# Altium PCB LPCB220R0.PcbDoc (part 4 of 4) (continued)
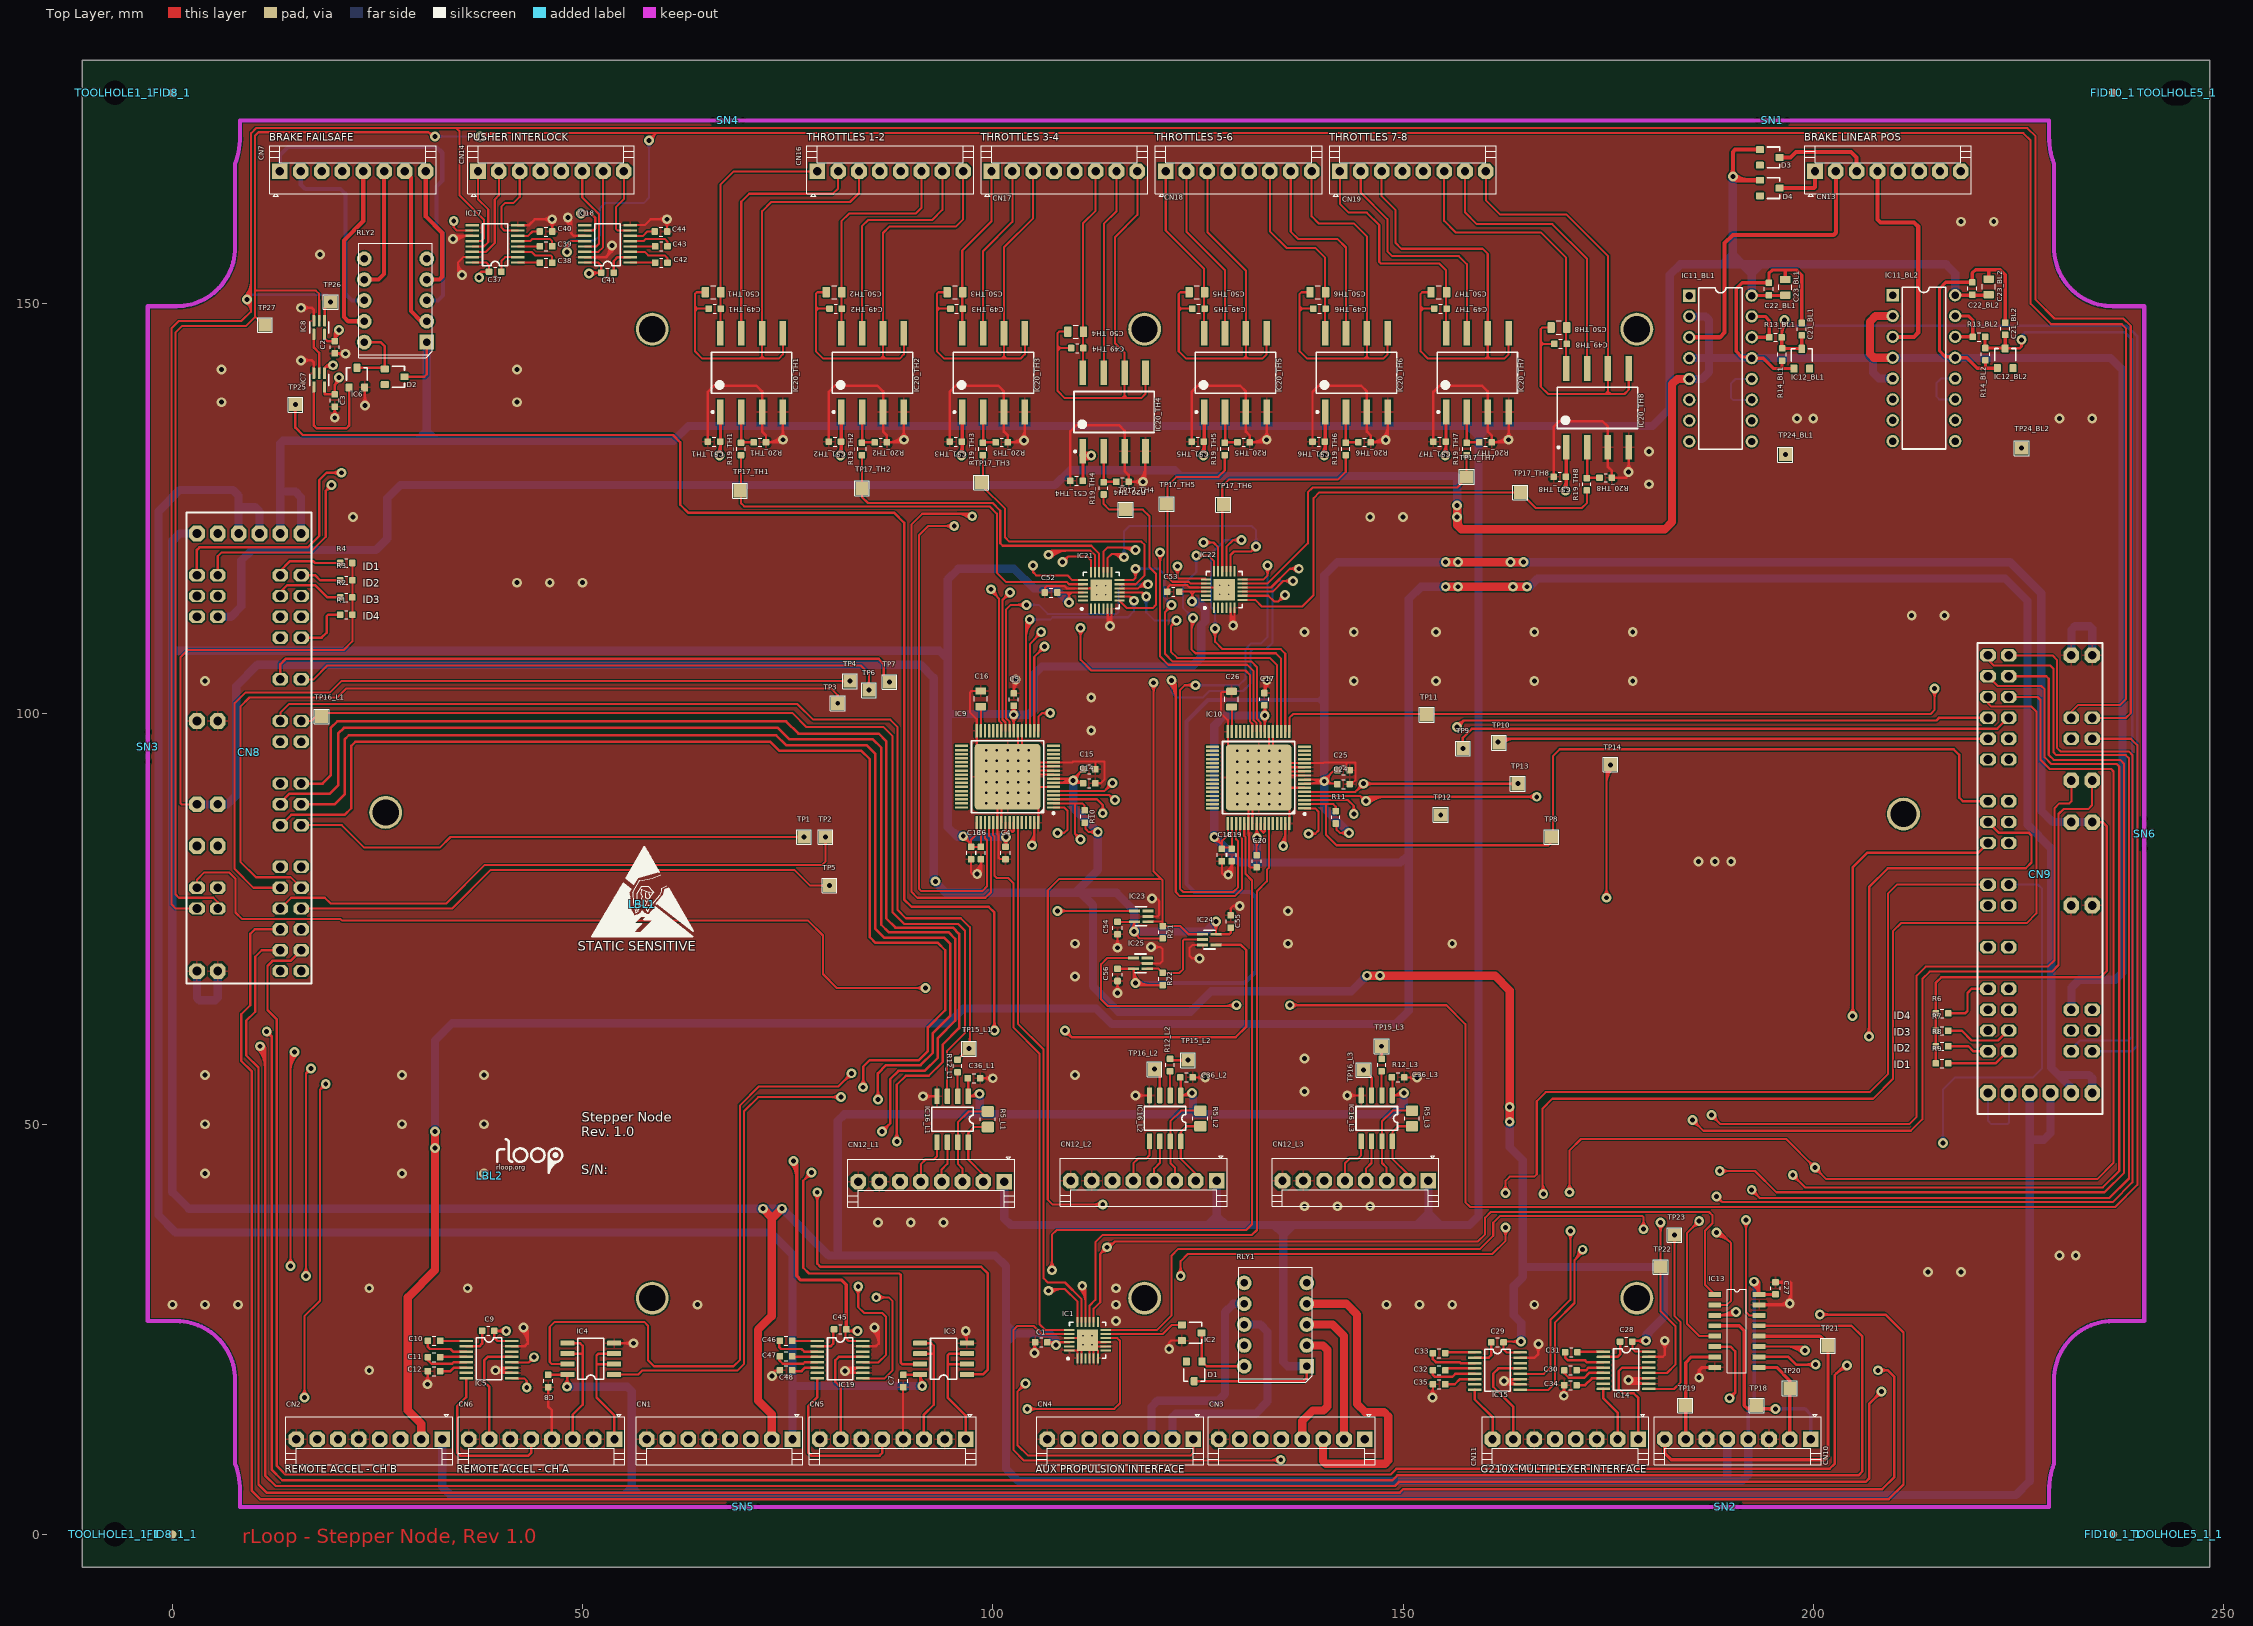
[diagram p0: Top Layer view]
## Nets (pads, with @x,y where several pads share a name; then routed paths per layer and width w, separated by ;. In a path a pad name is that pad's centre, name@x,y a point inside that pad or via, vN(x,y) a via of type N, cw(c..) or ccw(c..) an arc to the next point about the centre after c; other vN are vias at no path point) (continued)
  Top Layer w0.3: R19_TH7.1@157.789,133.08 IC20_TH7.2@157.789,136.8 ; R19_TH7.1@157.809,133.1 R20_TH7.2@159.309,133.1
NetIC20_TH8_2: IC20_TH8.2 R19_TH8.1 R20_TH8.2 | length 5.2
  Top Layer w0.3: R19_TH8.1@172.43,128.78 IC20_TH8.2@172.43,132.5 ; R19_TH8.1@172.45,128.8 R20_TH8.2@173.95,128.8
NetIC24_2: IC24.2 IC25.1 R22.1 | length 10.7
  Top Layer w0.254: IC25.1@118.825,68.95 120.2,68.95 R22.1@120.7,68.45 122.75,68.45 123.2,68.9 123.2,72.4 123.3,72.5 IC24.2@125.575,72.5
P5VA: C1.1 C4.1 C5.1 C6.1 C13.1 C27.1 C36_L1.1 C36_L2.1 C36_L3.1 C51_TH1.1 C51_TH2.1 C51_TH3.1 C51_TH4.1 C51_TH5.1 C51_TH6.1 C51_TH7.1 C51_TH8.1 C52.1 C53.1 CN1.2 CN8.P5V1 CN8.P5V2 CN10.4 CN10.5 IC1.22 IC9.23 IC9.49 IC9.50 IC9.56 IC13.16 IC16_L1.1 IC16_L2.1 IC16_L3.1 IC20_TH1.1 IC20_TH2.1 IC20_TH3.1 IC20_TH4.1 IC20_TH5.1 IC20_TH6.1 IC20_TH7.1 IC20_TH8.1 IC21.22 IC22.22 | length 973.8
  Top Layer w0.254: v1@96.4,84.627 cw(c96.4,83.485) 97.207,84.293 cw(c98.015,85.1) v1@96.873,85.1 ; v1(96.4,85.1) C13.1@97.35,84.15 ; C36_L1.1@96.95,55.6 97.005,55.545 IC16_L1.1@97.005,53.4 ; 97.464,53.4 ccw(c97.464,54.286) v1@98.214,53.816 ; v1@97.999,53.951 cw(c97.005,54.572) IC16_L1.1@97.005,53.4 ; IC9.49@98.05,86.75 98.05,85.35 97.35,84.65 C13.1@97.35,84.15 ; v1(98.4,53.7) 98.1,53.4 IC16_L1.1@97.005,53.4 ; IC9.50@98.55,86.75 C6.1@98.55,83.8 C13.1@97.35,83.8 C13.1@97.35,84.15 ; v1@101.266,84.666 cw(c100.579,83.979) C4.1@101.55,83.979 ; v1@101.266,85.334 ccw(c100.579,86.021) IC9.56@101.55,86.021 ; 101.55,84.382 cw(c102.175,84.382) v1@101.749,84.84 ; 101.55,85.649 ccw(c102.249,85.649) v1@101.755,85.155 ; IC9.56@101.55,86.263 ccw(c102.863,86.263) v1@101.934,85.334 ; IC9.56@101.55,86.75 C4.1@101.55,83.8 cw(c102.717,83.799) v1@101.922,84.654 ; v1@102.216,99.566 cw(c101.408,98.758) 102.55,98.758 cw(c103.692,98.758) v1@102.884,99.566 ; v1@102.225,100.243 ccw(c101.508,101) C5.1@102.55,101 ; IC9.23@102.55,97.95 v1(102.55,99.9) C5.1@102.55,101 ; v1@102.875,100.243 cw(c103.592,101) C5.1@102.55,101 ; C1.1@106.65,23.4 C1.1@106.675,23.425 ; C1.1@107.001,23.425 cw(c107.001,22.923) v1@107.488,23.046 ; v1@107.241,22.984 ccw(c106.675,22.841) C1.1@106.675,23.425 ; C52.1@107.85,114.8 107.858,114.808 108.992,114.808 ; v1@109.032,113.99 ccw(c108.68,114.5) 109.3,114.5 ; v1(109.3,113.6) 109.3,114.5 ; IC1.22@109.325,23.425 C1.1@106.675,23.425 ; v1@109.568,113.99 cw(c109.92,114.5) 109.3,114.5 ; IC21.22@110.995,114.808 109.608,114.808 ; C36_L2.1@122.85,55.7 122.905,55.645 IC16_L2.1@122.905,53.5 ; C53.1@122.858,114.908 123.992,114.908 ; 123.364,53.5 ccw(c123.364,54.386) v1@124.114,53.916 ; v1@123.899,54.051 cw(c122.905,54.672) IC16_L2.1@122.905,53.5 ; v1@124.032,114.09 ccw(c123.68,114.6) 124.3,114.6 ; v1(124.3,53.8) 124,53.5 IC16_L2.1@122.905,53.5 ; v1(124.3,113.7) 124.3,114.6 ; v1@124.568,114.09 cw(c124.92,114.6) 124.3,114.6 ; IC22.22@125.995,114.908 124.608,114.908 ; C36_L3.1@148.65,55.7 148.705,55.645 IC16_L3.1@148.705,53.5 ; 149.163,53.5 ccw(c149.163,54.386) v1@149.914,53.916 ; v1@149.699,54.051 cw(c148.705,54.672) IC16_L3.1@148.705,53.5 ; v1(150.1,53.8) 149.8,53.5 IC16_L3.1@148.705,53.5 ; 108.992,114.808 109.3,114.5 ; 108.992,114.808 109.3,114.808 ; 109.3,114.5 109.3,114.808 ; 109.3,114.5 109.608,114.808 ; 109.3,114.808 109.608,114.808 ; 123.992,114.908 124.608,114.908 ; 123.992,114.908 124.3,114.6 ; 124.3,114.6 124.608,114.908
  Top Layer w0.4: v1@66.417,131.783 ccw(c65.493,132.707) 66.8,132.707 ; v1(66.7,131.5) 66.8,131.6 IC20_TH1.1@66.8,136.8 ; 66.8,132.224 ccw(c67.424,132.224) v1@66.983,131.783 ; v1@81.159,131.783 ccw(c80.234,132.707) 81.541,132.707 ; v1@81.541,131.6 IC20_TH2.1@81.541,136.8 ; 81.541,132.224 ccw(c82.166,132.224) v1@81.724,131.783 ; v1@95.9,131.783 ccw(c94.976,132.707) 96.283,132.707 ; v1@96.283,131.6 IC20_TH3.1@96.283,136.8 ; 96.283,132.224 ccw(c96.907,132.224) v1@96.466,131.783 ; C51_TH4.1@110.99,128.4 110.99,131.6 IC20_TH4.1@110.99,132 ; v1@125.383,131.783 ccw(c124.459,132.707) 125.766,132.707 ; v1@125.766,131.6 IC20_TH5.1@125.766,136.8 ; 125.766,132.224 ccw(c126.39,132.224) v1@125.949,131.783 ; v1@140.124,131.783 ccw(c139.2,132.707) 140.507,132.707 ; v1@140.507,131.6 IC20_TH6.1@140.507,136.8 ; 140.507,132.224 ccw(c141.131,132.224) v1@140.69,131.783 ; v1@154.866,131.783 ccw(c153.941,132.707) 155.249,132.707 ; v1@155.249,131.6 IC20_TH7.1@155.249,136.8 ; 155.249,132.224 ccw(c155.873,132.224) v1@155.431,131.783 ; v1@169.507,127.483 ccw(c168.583,128.407) 169.89,128.407 ; v1@169.89,127.3 IC20_TH8.1@169.89,132.5 ; 169.89,127.924 ccw(c170.514,127.924) v1@170.073,127.483 ; v1@192.612,30.447 cw(c191.911,29.133) IC13.16@193.4,29.133 ; v1@192.988,31.153 cw(c192.622,30.467) 193.4,30.467 ; v1@193.072,30.506 cw(c193.233,30.333) 193.4,30.5 ; 193.4,29.8 ccw(c192.267,29.8) v1(192.8,30.8) 193.1,30.8 193.4,30.5 ; C27.1@195.4,29.25 193.405,29.25 IC13.16@193.4,29.245 193.4,30.5
  Top Layer w1: v1(72,39.7) 73.05,38.65 73.05,38.45 ; CN1.2@73.05,11.6 73.05,14.65 71.4,16.3 71.4,24.95 73.05,26.6 ; 73.05,27.7 73.05,26.6 ; v1(74.3,39.7) 73.05,38.45 ; v1@111.933,131.574 cw(c111.475,132.085) 110.99,131.6 111.09,131.5 v1(112,131.5) ; 73.05,26.6 73.05,38.45
  Mid-Layer 1 w1: CN8.P5V1@3,122 3,125.5 ; CN8.P5V2@5.54,122 5.54,125.16 5.2,125.5 3,125.5 ; v1(169.79,127.2) 169.79,130.61 168.9,131.5 v1(155.149,131.5) v1(140.407,131.5) v1(125.666,131.5) v1(112,131.5) v1(96.183,131.5) v1(81.441,131.5) v1(66.7,131.5) 4.5,131.5 3,130 3,125.5
  Bottom Layer w0.4: CN10.4@192.07,11.6 192.07,15.37 192.8,16.1 v1(192.8,30.8) ; v1@192.517,30.517 cw(c191.834,29.834) 192.8,29.834 cw(c193.766,29.834) v1@193.083,30.517
  Bottom Layer w1: CN8.P5V1@3,122 0.9,122 0,121.1 0,107.7 ; 94.864,85.836 ccw(c96.4,87.373) v1@96.4,85.2 ; v1(98.4,53.7) 98.4,51.2 ; v1(101.6,85) 95.7,85 94.5,86.2 94.5,100 ; 107.105,24.295 cw(c105.91,23.1) v1@107.6,23.1 ; v1(107.7,23.1) 107.7,23.7 106.9,24.5 102.7,24.5 ; v1(109.3,113.6) 107.6,115.3 105,115.3 102.6,117.7 95.8,117.7 94.5,116.4 94.5,106.7 ; v1(124.3,53.8) 124.4,53.7 124.4,51.2 ; v1(124.3,113.7) 125.1,113.7 125.813,112.987 ; v1@124.301,113.6 cw(c124.333,111.507) 125.813,112.987 ; v1(150.1,53.8) 150.1,52.5 148.8,51.2 124.4,51.2 ; CN10.5@189.53,11.6 189.53,6.57 189.6,6.5 ; CN10.4@192.07,11.6 192.07,7.27 191.3,6.5 189.6,6.5 ; 0,107.7 93.5,107.7 94.5,106.7 ; 0,107.7 0,41.7 2,39.7 v1(74.3,39.7) 80,34 81.1,34 ; 81.1,34 81.1,50.4 81.9,51.2 98.4,51.2 ; 81.1,34 100.3,34 101.6,32.7 101.6,25.6 ; 94.5,100 102.45,100 v1(102.55,99.9) 104.3,99.9 105,100.6 105,104.8 106,105.8 124.3,105.8 125.4,106.9 125.4,110.8 125.9,111.3 125.9,112.587 125.813,112.674 125.813,112.987 ; 94.5,100 94.5,106.7 ; 98.4,51.2 124.4,51.2 ; 101.6,23.4 102.7,24.5 ; 101.6,23.4 101.6,8 103.1,6.5 189.6,6.5 ; 101.6,23.4 101.6,24.5 ; 101.6,24.5 102.7,24.5 ; 101.6,24.5 101.6,25.6 ; 101.6,25.6 102.7,24.5
P5VB: C17.1 C18.1 C19.1 C20.1 CN2.2 CN9.P5V1 CN9.P5V2 IC10.23 IC10.49 IC10.50 IC10.56 | length 448.7
  Top Layer w0.254: v1@127,84.527 cw(c127,83.385) 127.807,84.193 cw(c128.615,85) v1@127.473,85 ; v1(127,85) 127.95,84.05 ; IC10.49@128.65,86.65 128.65,85.25 127.95,84.55 127.95,84.05 ; IC10.50@129.15,86.65 129.15,83.7 127.95,83.7 127.95,84.05 ; v1@131.866,84.566 cw(c131.179,83.879) 132.15,83.879 ; v1@131.866,85.234 ccw(c131.179,85.921) IC10.56@132.15,85.921 ; C20.1@132.15,82.8 IC10.56@132.15,86.65 ; 132.15,83.637 cw(c133.463,83.637) v1@132.534,84.566 ; 132.15,84.251 cw(c132.849,84.251) v1@132.355,84.745 ; 132.15,85.549 ccw(c132.849,85.549) v1@132.355,85.055 ; IC10.56@132.15,86.163 ccw(c133.463,86.163) v1@132.534,85.234 ; v1@132.816,99.466 cw(c132.008,98.658) 133.15,98.658 cw(c134.292,98.658) v1@133.484,99.466 ; v1@132.825,100.143 ccw(c132.108,100.9) C17.1@133.15,100.9 ; IC10.23@133.15,97.85 v1(133.15,99.8) C17.1@133.15,100.9 ; v1@133.475,100.143 cw(c134.192,100.9) C17.1@133.15,100.9
  Top Layer w1: CN2.2@30.35,11.6 30.35,13.45 28.7,15.1 28.7,28.9 32,32.2 v1(32,47.1) v1(32,49.1) ; v1(155.2,115.5) v1(156.7,115.5) v1(163.4,115.5) v1(165.1,115.5)
  Bottom Layer w1: v1(32,47.1) v1(32,49.1) 32,60.2 34.1,62.3 94.6,62.3 96.4,64.1 112.6,64.1 114.5,62.2 149.1,62.2 150.7,63.8 150.7,82.9 ; v1(132.2,84.9) 132.2,81.9 ; v1(133.15,99.8) 128.2,99.8 127,98.6 v1(127,85) 130.1,81.9 132.2,81.9 ; v1(156.7,115.5) v1(155.2,115.5) 152.2,115.5 150.7,114 150.7,82.9 ; v1(163.4,115.5) v1(165.1,115.5) 165.4,115.5 166.4,116.5 223.4,116.5 226.1,113.8 226.1,86.5 229,83.6 229,56.9 229.9,56 ; v1@165.1,115.6 ccw(c165.1,116.566) 165.783,115.883 ; CN9.P5V2@231.46,53.8 231.46,54.44 229.9,56 ; CN9.P5V1@234,53.8 234,55.6 233.6,56 229.9,56 ; 132.2,81.9 149.7,81.9 150.7,82.9
P24VA: C22_BL1.1 C22_BL2.1 C23_BL1.1 C23_BL2.1 CN8.P24V1 CN8.P24V2 CN12_L1.1 CN12_L2.1 CN12_L3.1 D1.3 D2.3 D3.1 D4.1 IC11_BL1.16 IC11_BL2.16 RLY1.1 RLY2.1 | length 529.4
  Top Layer w0.3: D2.3@28.3,141.1 30.7,141.1 31.01,141.41 RLY2.1@31.01,145.32 ; D1.3@124.55,18.675 137.875,18.675 138.26,19.06 RLY1.1@138.26,20.495
  Top Layer w0.4: IC11_BL1.16@192.51,150.99 196.54,150.99 C23_BL1.1@196.6,151.05 ; IC11_BL2.16@217.3,151.04 C23_BL2.1@221.33,151.04
  Top Layer w0.5: v1@189.953,165.747 ccw(c189.355,166.345) 190.2,166.345 ccw(c191.045,166.345) 190.447,165.747 ccw(c192.131,167.431) 192.131,165.05 ; v1@190.094,165.394 ccw(c190.924,166.224) 190.924,165.05 ; v1@190.276,165.158 cw(c190.365,164.765) 190.65,165.05 ; v1@190.542,165.424 ccw(c190.935,165.335) 190.65,165.05 ; D4.1@193.5,165.05 190.65,165.05 ; D3.1@193.5,168.779 190.479,168.779 190.2,168.5 v1(190.2,165.5) 190.65,165.05
  Bottom Layer w1: CN8.P24V1@13.16,122 13.16,127.1 ; CN8.P24V2@15.7,122 15.7,126.4 15,127.1 13.16,127.1 ; RLY2.1@31.01,145.32 31,145.31 31,134.5 ; CN12_L1.1@101.39,43 101.39,38.51 102.2,37.7 126.2,37.7 ; CN12_L2.1@127.29,43.1 127.3,43.09 127.3,38.8 ; 136.8,37.7 136.6,37.7 ; RLY1.1@138.26,20.495 135.905,20.495 135.4,21 135.4,36.5 ; CN12_L3.1@153.09,43.1 153.09,39.1 ; v1(190.2,165.5) 190.2,156 ; IC11_BL1.16@192.5,151 192.5,153.7 ; IC11_BL2.16@217.3,151.04 217.3,153.7 216.2,154.8 193.6,154.8 ; 13.16,127.1 13.16,132.96 13.5,133.3 29.8,133.3 ; 29.8,133.3 31,134.5 ; 29.8,133.3 31,133.3 ; 31,133.3 31,134.5 ; 31,133.3 32.2,133.3 ; 31,134.5 32.2,133.3 ; 32.2,133.3 61.1,133.3 62.9,135.1 158,135.1 ; 126.2,37.7 127.3,38.8 ; 126.2,37.7 127.3,37.7 ; 127.3,37.7 127.3,38.8 ; 127.3,37.7 128.4,37.7 ; 127.3,38.8 128.4,37.7 ; 128.4,37.7 134.3,37.7 ; 134.3,37.7 135.4,36.6 ; 134.3,37.7 135.4,37.7 ; 135.4,36.5 136.6,37.7 ; 135.4,36.5 135.4,36.6 ; 135.4,36.6 135.4,37.7 ; 135.4,37.7 136.6,37.7 ; 136.6,37.7 151.7,37.7 ; 151.7,37.7 153.09,39.09 ; 151.7,37.7 153.2,37.7 ; 153.09,39.09 153.09,37.81 153.2,37.7 ; 153.09,39.09 153.09,39.1 ; 153.09,39.1 154.3,37.89 154.3,37.7 ; 153.2,37.7 154.3,37.7 ; 154.3,37.7 158.1,37.7 159.2,38.8 159.2,133.9 ; 158,135.1 159.2,133.9 ; 158,135.1 159.3,135.1 ; 159.2,133.9 159.3,133.9 160.5,135.1 ; 159.2,133.9 159.2,135 159.3,135.1 ; 159.3,135.1 160.5,135.1 ; 160.5,135.1 180.4,135.1 182.5,137.2 182.5,153.5 183.8,154.8 189.2,154.8 ; 189.2,154.8 189.2,155 190.2,156 ; 189.2,154.8 190.2,154.8 ; 190.2,154.8 191.4,154.8 ; 190.2,154.8 190.2,156 ; 190.2,156 191.4,154.8 ; 191.4,154.8 192.5,153.7 ; 191.4,154.8 192.5,154.8 ; 192.5,153.7 193.6,154.8 ; 192.5,153.7 192.5,154.8 ; 192.5,154.8 193.6,154.8
P24VB: CN9.P24V1 CN9.P24V2 | length 9.8
  Bottom Layer w0.254: CN9.P24V2@221.3,53.8 221.3,50.4 221.7,50 223.7,50 223.84,50.14 CN9.P24V1@223.84,53.8
PUSH_INTLK_A: CN8.T32 CN9.T32 IC8.1 IC17.12 TP26.1 | length 451.4
  Top Layer w0.254: CN8.T32@3,76.28 0.42,76.28 -0.1,76.8 -0.1,147 0.8,147.9 8.4,147.9 9.6,149.1 9.6,170.8 10.2,171.4 34.6,171.4 ; v1@8.766,150.834 ccw(c6.751,152.849) 9.6,152.849 ; v1@8.911,150.067 cw(c8.451,149.013) 9.6,149.013 ; v1@8.945,150.655 ccw(c7.364,152.236) 9.6,152.236 ; v1@9.012,150.299 cw(c8.62,149.402) 9.6,149.402 ; v1@9.114,150.532 cw(c8.79,149.79) 9.6,149.79 ; v1@9.125,150.475 ccw(c7.977,151.623) 9.6,151.623 ; v1@9.304,150.296 ccw(c8.591,151.009) 9.6,151.009 ; IC17.12@36.575,157.625 37.625,157.625 38,158 38,160.2 35,163.2 35,171 34.6,171.4 ; CN9.T32@234,99.52 238.12,99.52 238.7,100.1 238.7,147.3 237.8,148.2 229.4,148.2 227.1,150.5 227.1,170.4 226.1,171.4 34.6,171.4
  Top Layer w0.3: IC8.1@18.55,147.925 TP26.1@18.55,149.45 ; TP26.1@18.85,150.192 cw(c17.825,150.175) TP26.1@18.55,149.45 ; TP26.1@19.292,149.75 ccw(c19.275,148.725) TP26.1@18.55,149.45 ; v1(19.3,150.2) TP26.1@18.55,149.45
  Bottom Layer w0.3: v1(9.1,150.5) 9.7,151.1 18.8,151.1 ; v1@18.903,150.411 ccw(c18.386,150.686) 18.8,151.1 ; 19.087,150.813 cw(c18.76,150.487) v1@19.168,150.27 ; v1(19.3,150.2) 19.3,150.6 18.8,151.1
PUSH_INTLK_B: CN8.T33 CN9.T33 IC8.2 IC18.12 TP27.1 | length 466
  Top Layer w0.254: CN8.T33@5.54,76.28 5.54,77.06 5,77.6 0.8,77.6 0.4,78 0.4,146.5 1.2,147.3 9,147.3 10.1,148.4 ; TP27.1@11.3,147.4 11.1,147.4 10.1,148.4 ; 17.9,150.4 17.9,151.2 17.5,151.6 10.1,151.6 ; 31.405,170.695 cw(c31.109,170.4) v1@31.527,170.4 ; 31.441,170.659 ccw(c31.713,170.931) v1@31.896,170.593 ; v1@31.775,170.816 cw(c31.544,171.244) 31.2,170.9 ; v1(32,170.4) 31.7,170.4 31.2,170.9 ; v1@37.475,170.425 cw(c38.381,169.519) 38.381,170.8 ; v1(37.5,170.4) 37.9,170.8 59,170.8 ; v1@37.655,170.245 cw(c38.994,168.906) 38.994,170.8 ; v1@37.834,170.066 cw(c39.608,168.292) 39.608,170.8 ; v1@47.832,156.69 ccw(c47.48,157.2) 48.1,157.2 ; v1(48.1,156.3) 48.1,157.2 ; v1@48.368,156.69 cw(c48.72,157.2) 48.1,157.2 ; IC18.12@50.275,157.625 48.525,157.625 48.1,157.2 ; v1(58.1,169.9) 59,170.8 ; v1@58.1,170.373 ccw(c58.1,171.515) 58.907,170.707 ccw(c59.715,169.9) v1@58.573,169.9 ; CN9.T33@231.46,99.52 231.46,100.26 232.3,101.1 237.4,101.1 238.1,101.8 238.1,147 237.6,147.5 229,147.5 226.5,150 226.5,169.9 225.6,170.8 59,170.8 ; 10.1,148.4 10.1,151.6 ; 10.1,151.6 10.1,170.5 10.5,170.9 31.2,170.9
  Top Layer w0.3: IC8.2@17.9,147.925 17.9,150.4
  Bottom Layer w0.254: v1(32,170.4) v1(37.5,170.4) ; v1@32.334,170.066 cw(c33.142,169.258) 33.142,170.4 cw(c33.142,171.542) v1@32.334,170.734 ; v1@37.166,170.066 ccw(c36.358,169.258) 36.358,170.4 ccw(c36.358,171.542) v1@37.166,170.734 ; v1@47.8,156.666 ccw(c47.28,157.3) 48.1,157.3 ; v1(48.1,156.3) 48.1,157.3 ; v1@48.4,156.666 cw(c48.92,157.3) 48.1,157.3 ; v1@57.766,169.566 cw(c56.958,168.758) 58.1,168.758 cw(c59.242,168.758) v1@58.434,169.566 ; v1(58.1,169.9) 58.1,162.9 57.5,162.3 52.8,162.3 52.1,161.6 52.1,158.3 51.5,157.7 48.5,157.7 48.1,157.3
REMOTE_ACCEL0_INT_A: CN5.5 IC19.8 | length 20.5
  Top Layer w0.3: IC19.8@78.625,19.025 78.625,16.725 77.5,15.6 77.5,10 77.9,9.6 86.2,9.6 86.53,9.93 CN5.5@86.53,11.6
REMOTE_ACCEL0_INT_B: CN6.5 IC5.8 | length 20.5
  Top Layer w0.3: IC5.8@35.825,19.025 35.825,16.725 34.7,15.6 34.7,10 35.1,9.6 43.4,9.6 43.73,9.93 CN6.5@43.73,11.6
REMOTE_ACCEL1_INT_A: CN5.7 IC19.13 | length 13.4
  Top Layer w0.3: CN5.7@81.45,11.6 81.45,17.95 80.8,18.6 80.8,21.2 81.225,21.625 IC19.13@84.175,21.625
REMOTE_ACCEL1_INT_B: CN6.7 IC5.13 | length 13.4
  Top Layer w0.3: CN6.7@38.65,11.6 38.65,17.95 38,18.6 38,21.2 38.425,21.625 IC5.13@41.375,21.625
REMOTE_I2C_SCL_A: CN5.3 IC3.5 IC3.6 | length 15.7
  Top Layer w0.3: IC3.6@90.95,22.035 92.765,22.035 92.8,22 ; IC3.5@90.95,23.305 92.495,23.305 92.8,23 92.8,22 ; CN5.3@91.61,11.6 91.61,14.61 92.8,15.8 92.8,22
REMOTE_I2C_SCL_B: CN6.3 IC4.5 IC4.6 | length 15.7
  Top Layer w0.3: IC4.6@48.15,22.035 49.965,22.035 50,22 ; IC4.5@48.15,23.305 49.695,23.305 50,23 50,22 ; CN6.3@48.81,11.6 48.81,14.61 50,15.8 50,22
REMOTE_I2C_SDA_A: CN5.1 IC3.2 IC3.3 | length 15.5
  Top Layer w0.3: IC3.2@96.65,20.765 94.535,20.765 94.5,20.8 ; IC3.3@96.65,22.035 94.735,22.035 94.5,21.8 94.5,20.8 ; CN5.1@96.69,11.6 96.69,14.51 94.5,16.7 94.5,20.8
REMOTE_I2C_SDA_B: CN6.1 IC4.2 IC4.3 | length 15.5
  Top Layer w0.3: IC4.2@53.85,20.765 51.735,20.765 51.7,20.8 ; IC4.3@53.85,22.035 51.935,22.035 51.7,21.8 51.7,20.8 ; CN6.1@53.89,11.6 53.89,14.51 51.7,16.7 51.7,20.8
STEP_DIR_CTRL: IC1.14 IC13.1 IC21.14 IC22.14 IC23.1 IC24.1 R21.1 | length 274
  Top Layer w0.254: IC1.14@112.3,25.9 112.3,27.5 113.1,28.3 113.1,34.2 ; v1@113.066,39.866 ccw(c112.258,39.058) 112.258,40.2 ccw(c112.258,41.342) v1@113.066,40.534 ; v1(113.4,40.2) 107.3,40.2 106.7,40.8 106.7,78.5 108.1,79.9 120.5,79.9 ; v1@113.427,34.997 cw(c112.311,34.989) 113.1,34.2 ; v1@113.897,34.527 ccw(c113.889,33.411) 113.1,34.2 ; v1@113.954,35.212 ccw(c114.118,35.852) 114.585,35.385 ; IC21.14@113.97,117.283 113.97,118.97 114.5,119.5 ; v1@114.017,35.458 ccw(c114.247,36.353) 114.9,35.7 ; v1@114.373,35 cw(c114.791,35) 114.495,35.295 ; 114.936,119.5 cw(c114.936,118.496) v1@115.81,118.992 ; 115.373,119.5 cw(c115.373,118.744) v1@116.03,119.117 ; v1@115.589,118.866 ccw(c114.5,118.248) 114.5,119.5 ; v1(116,119.1) 116.1,119.2 115.8,119.5 114.5,119.5 ; IC23.1@118.912,74.68 120.68,74.68 120.7,74.7 ; v1@119.266,103.466 cw(c118.458,102.658) 119.6,102.658 cw(c120.742,102.658) v1@119.934,103.466 ; v1(119.6,103.8) 119.6,80.8 120.5,79.9 ; IC24.1@125.575,73.15 123.85,73.15 122.85,74.15 R21.1@120.7,74.15 120.7,74.7 ; IC22.14@128.97,117.383 128.97,119.37 129.4,119.8 131.5,119.8 ; v1@131.64,120.291 cw(c131.129,120.171) 131.5,119.8 ; v1@131.991,119.94 ccw(c131.871,119.429) 131.5,119.8 ; v1(132.1,120.4) 131.5,119.8 ; IC13.1@188,29.245 186.8,30.445 186.8,37 187.7,37.9 187.7,38.9 187.3,39.3 160.7,39.3 160,38.6 160,36.6 159.1,35.7 114.9,35.7 ; 113.1,34.2 v1(113.9,35) 114.2,35 114.9,35.7 ; 120.5,79.9 120.7,79.7 120.7,74.7
  Mid-Layer 1 w0.254: v1@113.066,39.866 cw(c111.051,37.851) 113.9,37.851 ; v1@113.245,40.045 cw(c111.664,38.464) 113.9,38.464 ; v1(113.4,40.2) 113.9,39.7 v1(113.9,35) ; v1@113.425,40.225 cw(c112.277,39.077) 113.9,39.077 ; v1@113.566,35.334 ccw(c112.758,36.142) 113.9,36.142 ccw(c115.042,36.142) v1@114.234,35.334 ; v1@113.604,40.404 cw(c112.891,39.691) 113.9,39.691 ; v1@115.666,118.766 cw(c114.858,117.958) 116,117.958 cw(c117.142,117.958) v1@116.334,118.766 ; v1@115.8,119.1 v1(116,119.1) 116,111.5 119.6,107.9 v1(119.6,103.8) ; v1@119.266,104.134 ccw(c118.458,104.942) 119.6,104.942 ccw(c120.742,104.942) v1@119.934,104.134
  Bottom Layer w0.254: v1@115.666,119.434 ccw(c114.858,120.242) 116,120.242 ccw(c117.142,120.242) v1@116.334,119.434 ; v1(116,119.1) 116,122.3 116.6,122.9 131.6,122.9 132.1,122.4 v1(132.1,120.4) ; v1@131.766,120.734 ccw(c130.958,121.542) 132.1,121.542 ccw(c133.242,121.542) v1@132.434,120.734
THROT_IN1: IC21.20 R19_TH1.2 TP17_TH1.1 | length 55.9
  Top Layer w0.254: R19_TH1.2@69.31,131.55 69.31,125.69 69.7,125.3 99.6,125.3 100.5,124.4 100.5,117.2 101.6,116.1 109,116.1 109.292,115.808 IC21.20@110.995,115.808
THROT_IN2: IC21.16 R19_TH2.2 TP17_TH2.1 | length 41.5
  Top Layer w0.254: R19_TH2.2@84.051,131.55 84.051,126.449 84.786,125.714 99.986,125.714 100.914,124.786 100.914,120.786 101.2,120.5 112,120.5 112.97,119.53 IC21.16@112.97,117.283
THROT_IN3: IC21.11 R19_TH3.2 TP17_TH3.1 | length 35.8
  Top Layer w0.254: R19_TH3.2@98.793,131.55 98.793,127.707 101.5,125 101.5,121.5 102,121 118.1,121 118.5,120.6 118.5,116.9 117.408,115.808 IC21.11@115.445,115.808
THROT_IN4: IC21.7 R19_TH4.2 TP17_TH4.1 | length 23.5
  Top Layer w0.254: R19_TH4.2@113.5,126.75 113.5,125.6 114.2,124.9 118.3,124.9 119.1,124.1 119.1,117.9 119.9,117.1 119.9,113.3 119.5,112.9 116.353,112.9 IC21.7@115.445,113.808
THROT_IN5: IC22.20 R19_TH5.2 TP17_TH5.1 | length 25.8
  Top Layer w0.254: IC22.20@125.995,115.908 124.077,115.908 123.871,116.114 121.886,116.114 121.3,116.7 121.3,127.8 122.4,128.9 127.5,128.9 128.276,129.676 R19_TH5.2@128.276,131.55
THROT_IN6: IC22.16 R19_TH6.2 TP17_TH6.1 | length 28.2
  Top Layer w0.254: IC22.16@127.97,117.383 127.97,127.77 128.8,128.6 142.1,128.6 143.017,129.517 R19_TH6.2@143.017,131.55
THROT_IN7: IC22.11 R19_TH7.2 TP17_TH7.1 | length 39.1
  Top Layer w0.254: IC22.11@130.445,115.908 133.508,115.908 138.4,120.8 138.4,127 139,127.6 156.6,127.6 157.759,128.759 R19_TH7.2@157.759,131.55
THROT_IN8: IC22.7 R19_TH8.2 TP17_TH8.1 | length 57.5
  Top Layer w0.254: IC22.7@130.445,113.908 131.992,113.908 132.8,113.1 137.7,113.1 139.1,114.5 139.1,126.3 139.8,127 TP17_TH8.1@164.3,127 166.2,125.1 171.8,125.1 172.4,125.7 R19_TH8.2@172.4,127.25
WDT_GOOD: IC7.1 IC24.4 TP25.1 | length 227.9
  Top Layer w0.3: TP25.1@14.682,137.382 cw(c13.914,136.614) 15,136.614 cw(c16.086,136.614) TP25.1@15.318,137.382 ; v1(15,137.7) 15,134.9 15.9,134 61,134 61.9,133.1 61.9,125.5 62.9,124.5 88,124.5 89.2,123.3 89.2,77.4 90.1,76.5 99.5,76.5 100.2,75.8 v1(100.2,61.4) ; IC7.1@18.55,141.525 IC7.1@18.55,142.15 ; 18.772,142.372 cw(c19.144,142) v1@19.499,142.389 ; 18.994,142.594 cw(c19.356,142.233) v1@19.701,142.611 ; v1@19.191,142.313 ccw(c18.9,142.181) 18.9,142.5 ; v1@19.191,142.687 cw(c18.9,142.819) 18.9,142.5 ; v1@19.297,142.167 ccw(c18.933,141.767) IC7.1@18.55,142.15 ; v1(19.6,142.5) 18.9,142.5 ; v1@99.882,61.718 ccw(c99.114,62.486) 100.2,62.486 ccw(c101.286,62.486) v1@100.518,61.718 ; v1@108.8,60.95 cw(c108.8,59.864) 109.568,60.632 cw(c110.336,61.4) v1@109.25,61.4 ; v1(108.8,61.4) 109.6,60.6 129.6,60.6 130.9,61.9 130.9,71.2 130.25,71.85 IC24.4@127.225,71.85 ; IC7.1@18.55,142.15 18.9,142.5
  Mid-Layer 1 w0.3: v1@14.682,138.018 ccw(c13.914,138.786) 15,138.786 ccw(c16.086,138.786) v1@15.318,138.018 ; v1(15,137.7) 15,140 15.7,140.7 17.8,140.7 v1(19.6,142.5) ; v1@19.15,142.5 cw(c18.064,142.5) 18.832,141.732 cw(c19.6,140.964) v1@19.6,142.05 ; v1(100.2,61.4) v1(108.8,61.4) ; v1@100.518,61.082 cw(c101.286,60.314) 101.286,61.4 cw(c101.286,62.486) v1@100.518,61.718 ; v1@108.482,61.082 ccw(c107.714,60.314) 107.714,61.4 ccw(c107.714,62.486) v1@108.482,61.718
pads on no net: CN1.3 CN1.4 CN1.6 CN1.7 CN2.3 CN2.4 CN2.6 CN2.7 CN3.5 CN3.6 CN3.7 CN4.5 CN4.6 CN4.7 CN7.3 CN7.4 CN8.A12 CN8.A13 CN8.A14 CN8.ID5 CN8.ID6 CN8.ID7 CN8.ID8 CN8.T14 CN8.T15 CN8.T31 CN9.A12 CN9.A13 CN9.A14 CN9.ID5 CN9.ID6 CN9.ID7 CN9.ID8 CN9.T1 CN9.T8 CN9.T10 CN9.T14 CN9.T15 CN9.T31 CN11.4 CN11.5 CN12_L1.6 CN12_L2.6 CN12_L3.6 CN13.5 CN13.6 CN13.7 CN13.8 CN14.4 CN14.5 CN16.4 CN16.5 CN17.4 CN17.5 CN18.4 CN18.5 CN19.4 CN19.5 D1.2 D2.2 D3.2 D4.2 FID8_1.1 FID8_1_1.1 FID10_1.1 FID10_1_1.1 IC1.3 IC1.7 IC1.13 IC1.23 IC5.7 IC5.14 IC9.13 IC9.14 IC9.15 IC9.16 IC9.27 IC9.28 IC9.29 IC9.30 IC9.33 IC9.34 IC9.35 IC9.36 IC9.37 IC9.38 IC9.39 IC9.40 IC9.41 IC9.42 IC9.43 IC9.44 IC9.45 IC9.46 IC9.47 IC9.48 IC9.60 IC9.61 IC9.62 IC10.13 IC10.14 IC10.15 IC10.16 IC10.27 IC10.28 IC10.29 IC10.30 IC10.33 IC10.34 IC10.35 IC10.36 IC10.37 IC10.38 IC10.39 IC10.40 IC10.41 IC10.42 IC10.43 IC10.44 IC10.45 IC10.46 IC10.47 IC10.48 IC10.60 IC10.61 IC10.62 IC11_BL1.1 IC11_BL1.6 IC11_BL1.7 IC11_BL1.8 IC11_BL1.9 IC11_BL1.10 IC11_BL2.1 IC11_BL2.6 IC11_BL2.7 IC11_BL2.8 IC11_BL2.9 IC11_BL2.10 IC12_BL1.2 IC12_BL2.2 IC14.7 IC14.14 IC15.7 IC15.14 IC17.9 IC18.9 IC19.7 IC19.14 IC21.1 IC21.2 IC21.3 IC21.4 IC21.13 IC21.23 IC21.24 IC22.1 IC22.2 IC22.3 IC22.4 IC22.13 IC22.23 IC22.24 IC23.3 IC25.3 RLY1.5 RLY1.6 RLY2.5 RLY2.6 SN1.0 SN2.0 SN3.0 SN4.0 SN5.0 SN6.0 TOOLHOLE1_1.TOOL TOOLHOLE1_1_1.TOOL TOOLHOLE5_1.TOOL1 TOOLHOLE5_1_1.TOOL1

## Polygon pours and split planes (outlines as drawn)
DGND on Bottom Layer "Bottom Layer-No Net" (solid, remove dead copper, pour order 6): -4.3,173.6 -4,173.3 241.2,173.3 241.2,2.1 241,1.9 240.5,2.4 -4.2,2.4
DGND on Top Layer "Bottom Layer-No Net" (solid, remove dead copper, pour order 5): -4.3,173.6 -4,173.3 241.2,173.3 241.2,2.1 241,1.9 240.5,2.4 -4.2,2.4
DGND on Mid-Layer 1 "Bottom Layer-No Net" (solid, remove dead copper, pour order 4): -4.3,173.6 -4,173.3 241.2,173.3 241.2,2.1 241,1.9 240.5,2.4 -4.2,2.4
DGND on Internal Plane 1 (split plane): 247.837,-3.49 -10.49,-3.49 -10.49,179.185 247.837,179.185

## Keep-outs
Keep-Out Layer:
  lines w0.5: -3,26 0.5,26 cw(c0.5,18.848) 7.652,18.848 7.652,8.625 cw(c-1,5.348) 8.252,5.348 8.252,3.348 228.748,3.348 228.748,5.348 cw(c238,5.348) 229.348,8.625 229.348,18.848 cw(c236.5,18.848) 236.5,26 240.348,26 240.348,149.695 236.5,149.695 cw(c236.5,156.848) 229.348,156.848 229.348,167.07 cw(c238,170.348) 228.748,170.348 228.748,172.348 8.252,172.348 8.252,170.348 cw(c-1,170.348) 7.652,167.07 7.652,156.848 cw(c0.5,156.848) 0.5,149.695 -3,149.695 -3,26

## Other copper
Top Layer:
  text "rLoop - Stepper Node, Rev 1.0" at 8.5,-1.7 h3

## Silkscreen, mask and mechanical layers (free items; w line width, h text height)
Top Overlay:
  text "BRAKE FAILSAFE" at 11.8,169.538 h1.5
  text "PUSHER INTERLOCK" at 35.95,169.538 h1.5
  text "THROTTLES 1-2" at 77.3,169.538 h1.5
  text "THROTTLES 3-4" at 98.533,169.538 h1.5
  text "THROTTLES 5-6" at 119.767,169.538 h1.5
  text "THROTTLES 7-8" at 141,169.538 h1.5
  text "BRAKE LINEAR POS" at 198.9,169.538 h1.5
  text "ID1" at 23.2,117.2 h1.5
  text "ID2" at 23.2,115.2 h1.5
  text "ID3" at 23.2,113.2 h1.5
  text "ID4" at 23.2,111.2 h1.5
  text "ID4" at 209.8,62.5 h1.5
  text "ID3" at 209.8,60.5 h1.5
  text "ID2" at 209.8,58.5 h1.5
  text "ID1" at 209.8,56.5 h1.5
  text "Stepper Node" at 49.925,49.89 h2
  text "Rev. 1.0" at 49.825,48.09 h2
  text "S/N:" at 49.825,43.49 h2
  text "REMOTE ACCEL - CH B" at 13.69,7.2 h1.5
  text "REMOTE ACCEL - CH A" at 34.69,7.2 h1.5
  text "AUX PROPULSION INTERFACE" at 105.24,7.2 h1.5
  text "G210X MULTIPLEXER INTERFACE" at 159.49,7.2 h1.5
Mechanical 1:
  lines w0.1: -11,-4 -11,179.695 248.348,179.695 248.348,-4 -11,-4
  lines w0.127: -3,26 -3,149.695 0.5,149.695 ccw(c0.5,156.848) 7.652,156.848 7.652,167.07 ccw(c-1,170.348) 8.252,170.348 8.252,172.348 228.748,172.348 228.748,170.348 ccw(c238,170.348) 229.348,167.07 229.348,156.848 ccw(c236.5,156.848) 236.5,149.695 240.348,149.695 240.348,26 236.5,26 ccw(c236.5,18.848) 229.348,18.848 229.348,8.625 ccw(c238,5.348) 228.748,5.348 228.748,3.348 8.252,3.348 8.252,5.348 ccw(c-1,5.348) 7.652,8.625 7.652,18.848 ccw(c0.5,18.848) 0.5,26 -3,26
Mechanical 3:
  lines w2.4: -4.2,93.2 -4.2,24.8 0.5,24.8 ; -4.2,99.2 -4.2,150.8 ; -4.2,150.895 0.5,150.895 ; 0.5,24.8 cw(c0.5,18.848) 6.452,18.848 6.452,8.625 ; 0.5,150.896 ccw(c0.5,156.848) 6.452,156.848 6.452,167.27 ; 6.53,8.2 cw(c-1,5.348) 7.052,5.348 7.052,2.148 66.4,2.148 ; 6.53,167.494 ccw(c-1.005,170.349) 7.052,170.349 7.052,173.548 64.552,173.548 ; 70.652,173.548 191.852,173.548 ; 72.4,2.148 186.4,2.148 ; 192.4,2.148 229.948,2.148 229.948,5.348 cw(c238,5.348) 230.47,8.2 ; 197.852,173.548 229.948,173.548 229.948,170.348 ccw(c238,170.348) 230.47,167.495 ; 230.548,8.625 230.548,18.848 ; 230.548,156.848 230.548,167.07 ; 230.548,18.848 cw(c236.5,18.848) 236.5,24.8 ; 230.548,156.848 ccw(c236.5,156.848) 236.5,150.896 ; 236.5,24.8 241.548,24.8 ; 236.5,150.895 241.548,150.895 241.548,88.495 ; 241.548,24.895 241.548,82.495

## Text inside footprints (layer, text, board x,y; h text height)
LBL1: Top Overlay "STATIC SENSITIVE" at 49.426,70.704 h2
LBL2: Top Overlay "rloop.org" at 39.45,44.2 h1